# KiCad board AMLDC-2044B.kicad_pcb (continued)
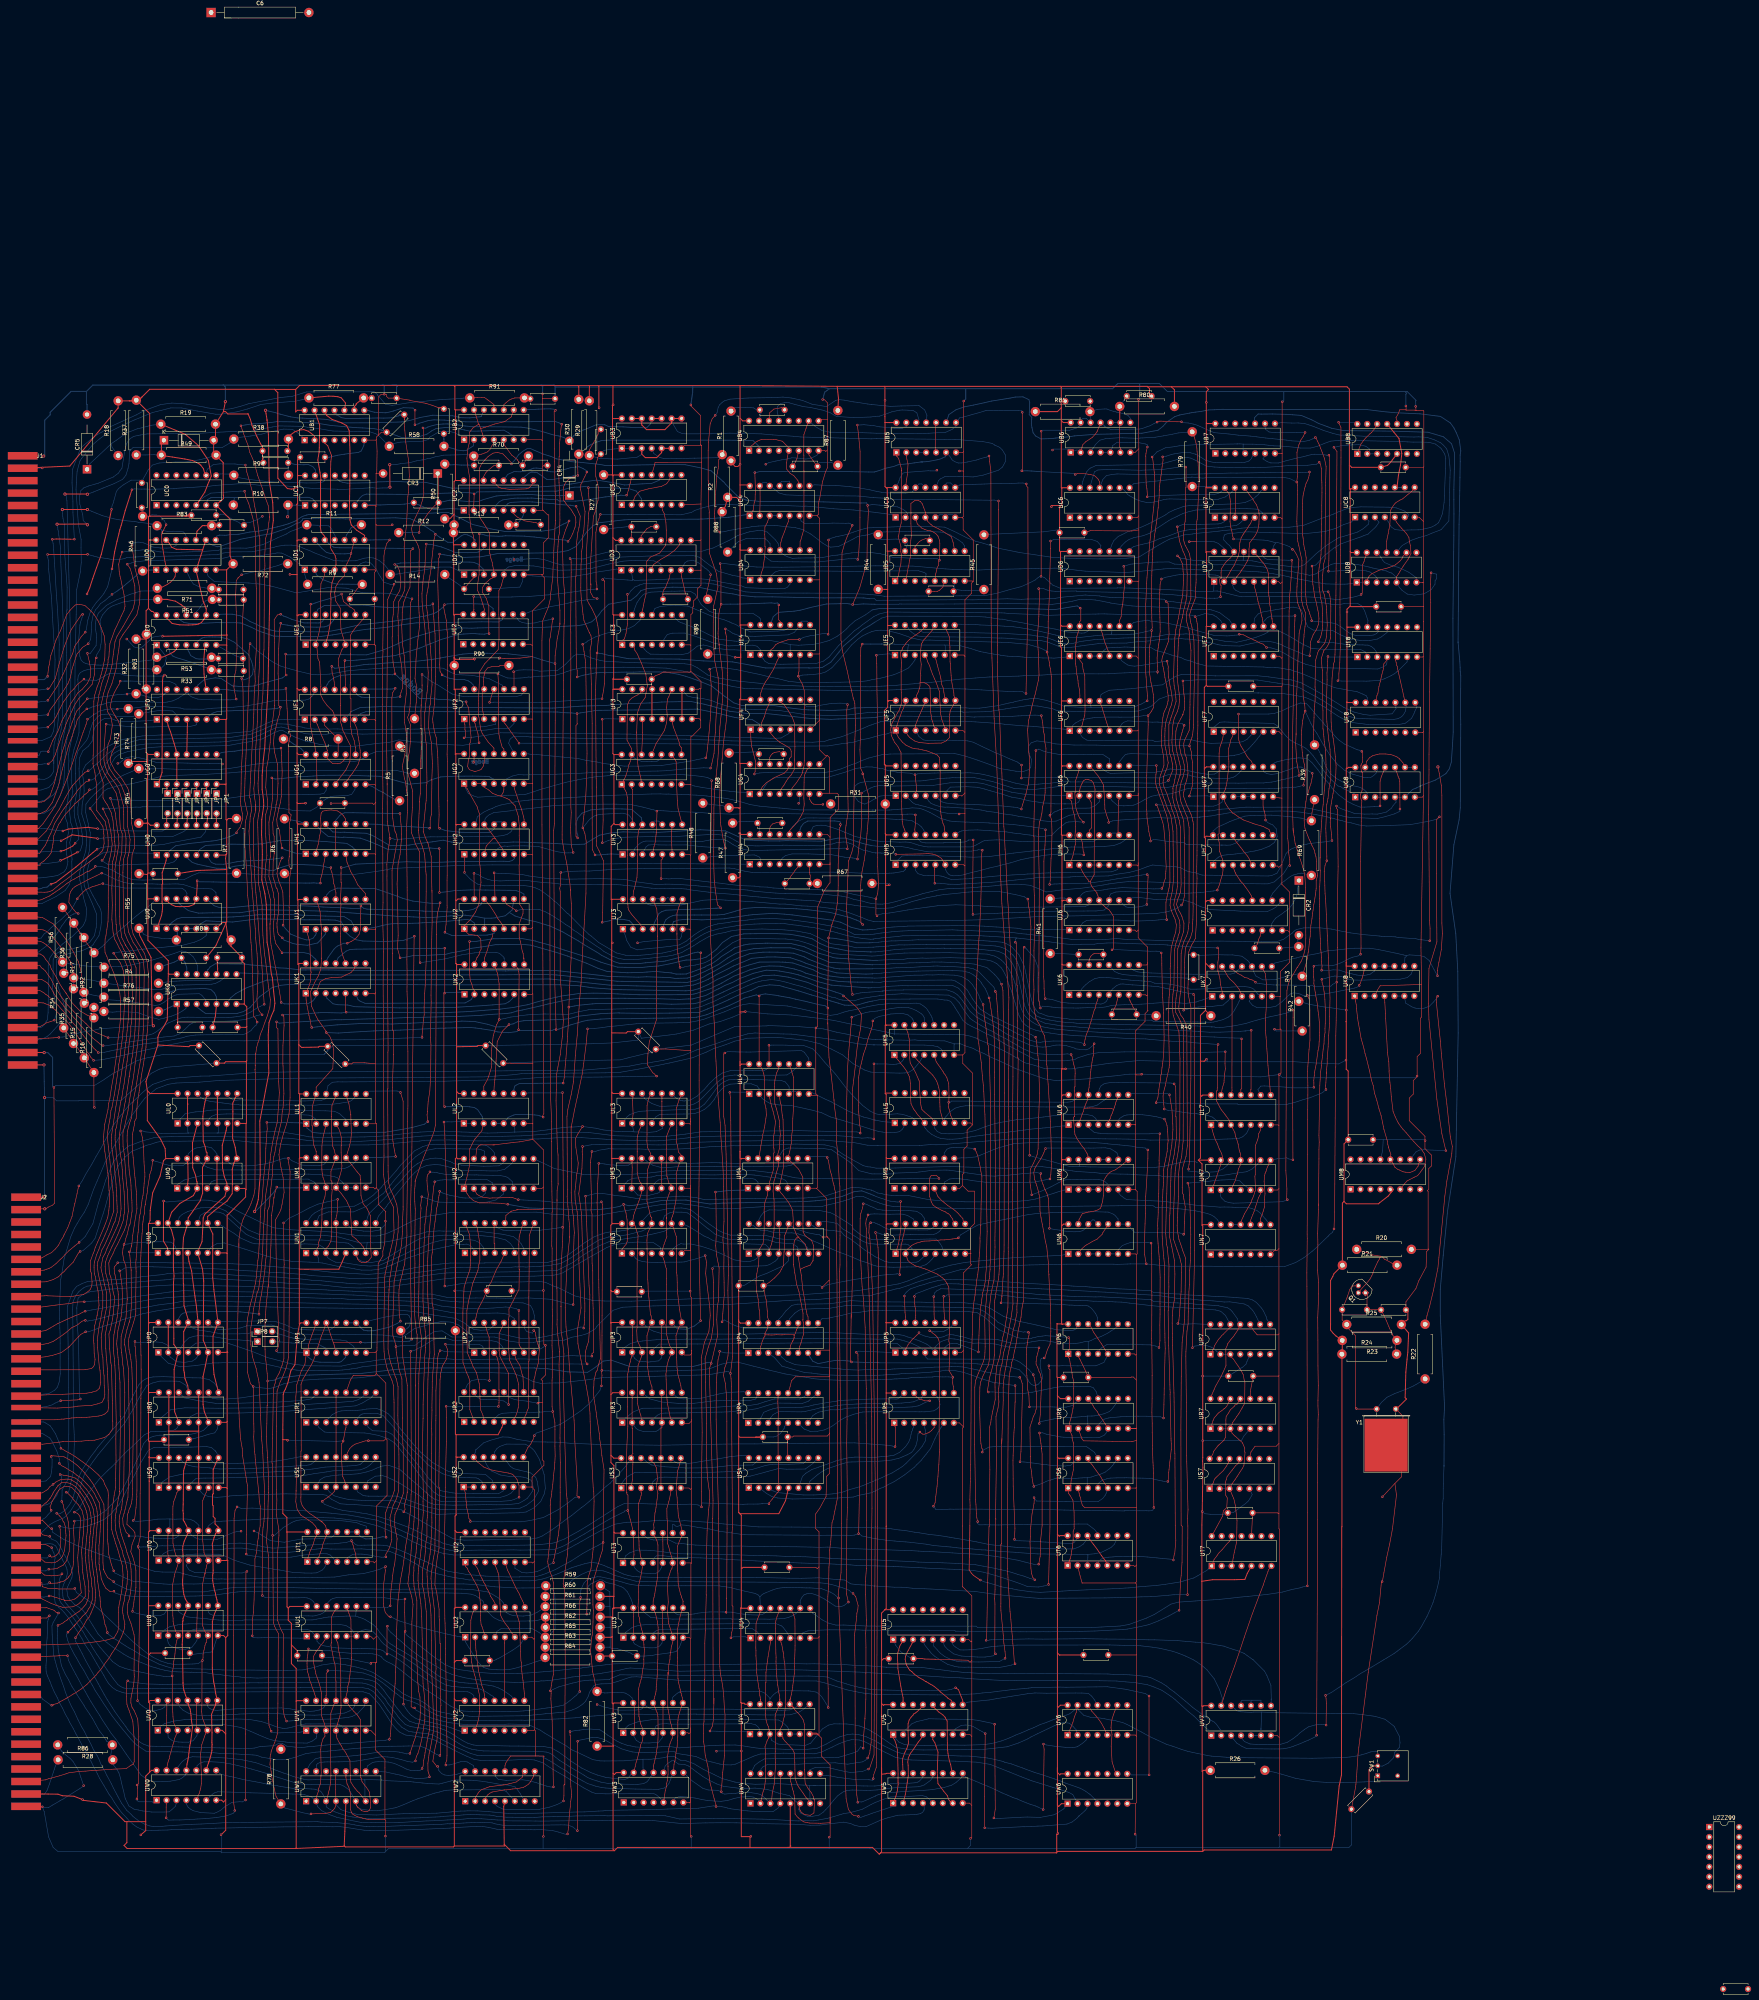
[diagram p0: board, top side]
## Routing (per net, layer and track width the routed paths; a pad name or vN(x,y) marks a point on that pad's centre or on a via; arc(x,y) is an arc through that point) (continued)
K6p2: length 50.1
  Bottom w0.15: 378.68,255.26 378.9,255.26 ; 378.68,255.26 375.63,255.15 374.1,255.15 372.7,255.56 370.42,256.14 368.58,256.48 364.96,256.68 363.74,257.17 362.81,257.17 361.62,257.26 360.84,257.31 359.67,257.37 358.87,257.45 356.61,257.69 355.41,257.88 352.68,258.14 350.93,258.13 349.57,257.8 348.27,257.04 347.39,256.3 346.77,255.71 346.25,255.12 UK6.2 ; 378.68,255.26 382.5,255.58 383.62,255.6 384.71,255.69 386.65,255.79 387.83,255.83 389.24,255.64 390.07,255.31 390.76,254.67 391.36,253.87 UK7.6
K6p4: length 390.4
  Top w0.15: v1(136.99,100.28) 136.92,100.35 137.02,115.9 137.15,117.64 137.4,119.19 137.42,119.85 137.61,122.21 137.58,123.78 137.58,126.84 137.32,131.18 137.09,136.64 137.01,138.11 136.84,139.8 136.76,140.94 136.52,146.17 136.44,148.04 136.21,153.58 136.12,154.74 136,155.54 135.77,156.44 135.41,158.25 134.46,161.24 134.03,164.45 134.04,166.79 134.04,168.73 134.21,169.84 134.74,173.5 135.18,175.55 135.61,177.53 136.03,178.52 136.29,180.5 136.55,182.12 136.96,186.84 137.04,188.12 137.27,194.4 137.42,195.78 137.53,198.54 137.64,199.09 137.78,202.12 138.04,203.89 138.48,206.86 138.59,208.19 138.99,211.67 139.08,212.83 139.62,216.12 140.19,218.86 140.72,220.86 140.83,221.66 141.08,224.88 141.32,228.67 141.14,231.6 141.08,233.13 140.96,244.99 140.6,245.35 v1(140.6,246.8) ; 347.03,240.85 v1(347.03,240.98) 347.03,241.55 347.2,242.3 347.51,243.53 348.16,245.09 348.74,247.01 349.09,248.27 349.56,249.85 349.76,250.18 350.02,251.35 350.43,252.47 UK6.4
  Bottom w0.15: v1(347.03,240.98) 347.03,241.08 346.02,241.58 344.05,241.72 342.33,241.84 341.52,241.88 341.5,241.91 339.17,241.91 338.1,241.85 336.3,241.68 335.83,241.57 334.7,241.65 332.99,242.18 330.84,243.35 330.17,243.62 328.84,244.36 327.45,245.08 326.36,245.65 325.31,246.17 324.08,246.8 323.51,247.03 322.17,247.8 321.71,248.02 320.97,248.44 320.01,248.96 318.59,250.43 317.79,251.5 316.3,253.62 316.18,253.85 316.19,253.89 314.92,255.38 313.42,256.05 311.91,256.13 301.93,256.02 300.53,256.05 299.55,256.01 297.02,255.89 296.42,255.8 293.47,255.52 292.68,255.52 ; UU1.13 149.97,98.78 149.33,99.34 148.39,99.69 147.64,99.75 146.27,99.71 144.78,99.7 137.71,99.74 v1(136.99,100.28)
  Bottom w0.2: 292.68,255.52 291.92,255.48 284.69,256 282.35,256.18 278.73,257.12 276.55,257.93 273.97,258.8 272.12,259.24 269.13,259.78 268.38,259.87 265.73,260 262.47,259.21 258.99,257.88 257.08,256.87 255.19,256.11 253.57,255.25 252.98,255 250.28,253.54 246.87,252.66 245.84,252.66 243.68,252.54 238.1,252.71 235.41,252.72 229.64,252.83 227.89,252.83 217.7,252.8 214.97,252.45 209.99,251.37 207.98,250.86 203.34,249.81 201.99,249.56 200.64,249.12 199.38,248.93 195.03,248.68 192.84,248.47 187.01,248.18 184.01,248.12 177.29,247.94 173.76,247.89 169.31,247.7 161.38,247.48 157.12,247.34 155.63,247.35 152.1,247.17 149.63,246.98 144.96,246.71 143.25,246.62 141.31,246.47 v1(140.6,246.8)
K6p6: length 5.5
  Top w0.15: C49.2 354.49,249.74 354.84,250.51 355.15,251.19 355.47,252.56 355.39,253.26 UK6.6
K6p7: length 10.8
  Top w0.15: UK6.7 358.16,253.49 358.52,252.54 358.68,252.16 358.71,252.16 358.85,251.82 359.19,251.24 359.5,250.47 360.03,249.73 C49.1
  Bottom w0.15: R40.2 365.01,248.7 C49.1
K6p10: length 30.3
  Bottom w0.15: UK6.10 358.86,260.49 359.5,260.02 360.08,259.79 360.7,259.55 362.05,259.39 364.09,259.28 374.87,258.96 384.42,259 385.38,259.28 UK7.11
K6p12: length 22.6
  Bottom w0.15: C48.2 373.69,257.95 363.96,258.38 360.38,258.55 356.93,258.88 355.76,259.18 354.71,259.69 UK6.12
K6p14: length 5.9
  Top w0.15: UK6.14 348.21,262.58 348.33,262.92 348.68,263.58 348.88,263.79 349.28,264.14 349.61,264.2 350.58,264.28 351.61,264.28 C50.1
K6p15: length 10
  Bottom w0.15: R41.1 340.25,264.28 C50.2 345.53,261.46 UK6.15
K7p8: length 102.7
  Top w0.15: v1(437.24,258.57) 437.24,259.96 437.22,259.98 437.6,262.01 438.24,265.31 438.49,269.38 438.37,272.04 438.37,304.56 438.24,307.1 437.73,310.14 v2(437.35,311.92)
  Bottom w0.15: UK7.8 395.52,261.78 397.34,262.22 398.6,262.56 401.15,263.11 402.7,263.55 406.66,264.26 408.97,264.9 414.36,265.48 416.04,265.6 420.01,265.6 422.14,265.26 427.13,264.23 428.56,263.9 429.38,263.64 428.92,263.19 UK8.9 ; 437.28,258.55 v1(437.24,258.57) 436.37,260.16 435.13,262.47 433.81,263.47 433,263.64 432.93,263.72 430.03,263.91 429.22,263.69
K7p9: length 33.1
  Top w0.15: UL7.8 393.93,235.63 393.65,239.89 393.45,242.9 393.28,244.6 393.34,247.2 393.37,248.68 393.49,250.43 393.54,256.58 393.34,258.35 393.25,259.13 392.79,260.04 UK7.9
K8p1: length 54
  Top w0.15: UK8.1 416.31,252.14 416.49,251.14 416.55,250.26 416.83,247.81 417.02,246.5 417.29,245.07 417.74,242.46 418.12,241.21 418.48,239.87 418.73,238.74 419.08,237.53 419.89,234.27 420.4,231.82 420.82,230.55 421.16,228.58 421.75,226.71 422.3,224.58 422.83,222.9 423.23,221 423.4,220.11 423.55,219.38 424.47,216.25 424.56,215.47 424.75,214.8 424.71,214.81 424.96,213.99 425.33,212.99 425.2,212.5 UM8.12 425.82,210.72 426.35,209.7 427.04,209.17 427.51,208.96 428.42,208.52 429.07,208.41 430.2,208.32 431.48,208.86 432.28,209.96 UM8.9
K8p4: length 55.2
  Top w0.15: UK8.4 423.79,251.71 423.95,248.89 424.01,247.62 424.47,238.9 424.8,236.62 424.89,234.34 424.87,234.02 425.09,231.3 425.28,229.82 425.44,227.72 425.9,223.89 426.44,222.56 427.21,221 427.97,219.93 428.42,219.39 429.22,218.52 430.62,216.84 431.21,216.22 432.18,215.17 433.11,214.32 433.44,213.81 433.89,213.12 434.28,211.75 433.91,209.85 433.3,209 432.94,208.49 432.15,207.52 431.29,207.12 430.12,206.52 429.48,206.18 428.8,205.44 UM8.6
K8p5: length 99.1
  Top w0.15: v1(437.31,253.36) 436.97,252.99 436.97,251.72 437.98,241.82 438.24,238.64 439,231.02 439.64,225.82 440.52,217.43 441.03,215.02 440.91,213.24 440.65,211.72 439.64,206.13 439.13,202.32 437.6,186.57 437.35,183.91 436.21,178.19 435.19,174 434.56,171.71 R22.2
  Bottom w0.15: 437.27,253.35 437.31,253.38 v1(437.31,253.36) 437.29,253.36 437.01,252.76 436.77,252.49 436.14,251.78 435.15,250.78 433.78,250.29 432.43,250.16 431.5,250.33 430.68,250.65 429.1,251.61 UK8.6 UK8.5
L0p1: length 48.6
  Bottom w0.15: UL0.1 115.33,221.19 117.23,223.31 119.83,223.81 121.65,223.92 123.7,224.24 125.25,224.33 140.08,224.45 145,224.37 149.47,224.15 150.7,224.09 153.09,224.08 155.41,223.96 156.72,223.35 157.07,223.01 158.16,222.02 UL1.5 UL1.6
L0p4: length 30.4
  Bottom w0.15: UL1.2 150.77,221.67 150.53,222.02 149.57,222.75 148.91,222.98 147.58,223.05 144.49,223.17 140.05,223.12 133.38,223.18 130.04,223.27 127.82,223.28 125.18,223.16 124.06,222.7 123.38,222.14 UL0.4
L0p9: length 166.2
  Top w0.15: UJ3.11 237.25,276.9 237.75,275.65 237.9,273.86 237.89,272.87 237.96,268.64 237.93,268.7 237.84,262.4 237.73,259.8 237.7,255.11 237.68,252.34 237.67,250.86 237.67,247.32 235.85,241.67 235.51,238.62 235.34,235.9 236.75,233.79 237.09,233.56 237.54,233.06 237.64,232.95 v1(237.74,232.95) 237.74,232.85 237.8,232.79
  Bottom w0.15: v1(237.74,232.95) 229.01,232.79 223.56,232.71 220.43,232.67 212.64,232.76 208.74,232.67 202.81,232.2 183.6,231.64 157.5,231.46 156.26,231.48 154.86,231.38 153.75,230.48 UL1.12 153.27,227.21 151.97,226.71 150.15,226.62 149.96,226.69 147.87,226.61 132.13,226.83 131.26,226.88 130,226.73 129.3,227.02 128.39,227.61 UL0.9 ; UJ3.9 241.43,278.1 240.55,278.58 240.08,278.1 UJ3.10 238.18,278.25 237.54,278.23 237.28,278.1 UJ3.11
L0p12: length 42.4
  Bottom w0.15: UL1.9 160.6,227.53 160.14,227.08 159.85,226.79 159.23,226.4 159.22,226.39 156.8,226.01 154.67,225.72 151.7,225.65 150.44,225.51 148.64,225.53 143.1,225.6 143.06,225.56 131.42,225.56 130.82,225.64 129.83,225.69 126.9,226.08 124.97,226.32 123.64,226.5 122.57,226.76 121.16,227.5 UL0.12
L0p13: length 514.9
  Top w0.15: UU3.10 239.21,95.87 239.25,93.24 UU3.5 ; UU3.2 231.87,94.96 231.87,96.05 UU3.13 ; UL3.2 231.71,223.3 231.57,226.61 231.71,228.24 UL3.13 ; 219.93,95.49 v1(219.89,95.52) 219.93,99.33 219.98,100.41 219.98,100.81 219.97,101.21 219.97,103.25 220.25,104.96 220.56,105.91 220.94,107.07 221.36,110.76 221.5,112.09 221.59,116.08 221.59,117.46 221.74,124.37 221.65,126.79 221.51,127.94 221.18,134.18 220.87,141.9 220.74,144.67 220.7,146.87 220.4,150 219.71,153.95 218.4,160.41 217.62,164.6 217.53,168.25 218.4,173.73 217.84,185.89 217.89,185.94 217.58,196.36 217.41,198.34 216.91,201.21 216.84,203.45 217,204.8 217.27,207.65 217.58,209.34 217.7,210.76 217.08,214.76 216.96,216.97 217.66,218.31 v1(218.79,220.08) ; 106.61,214.97 106.74,211.02 106.8,210 106.95,208.27 106.97,207.25 106.77,205.55 106.71,204.44 106.49,202.53 106.29,201.67 105.78,197.92 105.53,196.78 105.33,193.76 105.23,193.04 105.1,191.87 105.01,190.91 104.92,189.12 104.9,188.79 104.72,186.14 104.65,185.37 104.69,183.85 104.73,183.03 104.63,176.7 104.66,175.18 104.64,172.76 104.61,172 104.1,170.14 103.42,168 102.92,166.24 102.74,165.19 102.92,163.1 103.18,161.89 103.39,160.52 103.62,158.63 103.87,151.58 103.85,150.48 103.85,149.64 103.87,149.32 104.04,145.08 103.77,127.56 103.76,126.14 103.68,124.76 103.5,123.81 103.26,122.92 102.99,122.5 102.74,121.56 102.52,120.92 102.37,118.46 103,117.9 104.02,116.91 104.39,116.36 104.48,115.4 103.69,113.36 103.35,111.45 103.83,110.35 104.42,108.19 104.67,106.67 104.67,102.36 104.66,102.28 104.38,99.98 104.22,99.29 104.15,98.46 103.98,97.5 103.9,96.94 v1(103.81,96.26) ; UU0.2 112.73,91.16 112.75,91.53 112.75,96.38 112.77,96.86 UU0.13 ; v1(105.87,218.94) 106.32,217.33 106.62,214.67 ; UU0.10 120.36,96.58 120.24,92.81 120.23,91.53 120.18,91.22 UU0.5 ; UL3.5 239.07,226.42 239.05,226.45 239.07,226.47 UL3.10
  Top w0.25: UL0.10 UL0.5 ; UL0.13 117.87,225.87 117.95,225.79 117.87,225.71 UL0.2
  Bottom w0.15: 217.92,220.04 216.32,219.94 215.62,219.96 214.18,219.86 211.07,219.43 209.9,219.22 208.04,218.99 206.47,218.81 201.38,218.65 ; v1(103.81,96.26) 104.27,95.95 104.9,95.74 106.39,95.41 106.96,95.31 109.39,95.12 109.75,95.12 111.01,95.21 111.88,95.57 112.35,96.16 112.5,96.67 112.46,97.23 UU0.13 ; 217.64,220.04 218.28,220.02 v1(218.79,220.08) 222.26,219.62 224.03,219.21 228.09,218.77 228.96,218.75 231.86,218.75 231.86,218.75 UL3.2 ; 118.09,218.42 118.05,218.37 111.23,218.31 107.23,218.69 106.76,218.8 106.47,218.92 105.87,219.08 v1(105.87,218.94) ; 118.09,218.42 125.44,218.42 ; 118.09,218.42 117.95,218.55 UL0.2 ; UL3.5 239.23,220.72 239.23,219.59 237.61,218.75 235.82,218.58 233.86,218.65 232.99,218.67 232.09,218.69 231.39,218.75 ; UU3.5 239.07,88.1 238.53,87.41 237.47,86.95 236.02,86.92 234.42,87.01 233.49,87.15 232.12,87.92 231.8,88.34 231.76,88.38 UU3.2 ; UL2.6 201.49,219.53 201.49,218.65 201.38,218.65 ; 201.38,218.65 197.01,218.45 194.53,218.4 189.85,218.62 187.85,218.68 183.8,218.89 181.01,218.83 177.31,218.65 176.75,218.6 175.96,218.56 174.39,218.36 173.54,218.28 170.63,217.93 168.8,217.69 165.82,217.55 163.13,217.41 153.66,217.31 151.05,217.31 148.8,217.45 146.98,217.84 142.29,218.63 139.73,218.75 137.46,218.7 136.57,218.64 125.44,218.42 ; 125.44,218.42 125.66,218.42 125.84,218.59 125.84,220.52 UL0.5 ; UU3.13 231.59,98.29 231.17,99.42 230.26,101.23 229.31,102.2 228.73,102.51 226.8,103.18 224.85,103.61 223.81,104.26 223.2,104.33 222.04,103.82 220.95,103.29 220.7,103.05 220.28,102.72 220.12,102.1 220.12,99.25 219.93,97.17 v1(219.89,95.52) ; UU0.5 120.23,88.77 119.78,88.12 118.99,87.11 118.38,86.82 117.29,86.57 116.31,86.57 115.86,86.61 114.9,86.86 114.14,87.14 113.39,87.51 113.03,87.99 112.89,88.37 112.76,88.92 112.74,89.2 UU0.2
L1p8: length 785.9
  Top w0.15: v1(172.28,228.78) 172.95,226.54 172.94,199.48 ; 390.77,256.86 390.76,256.88 v1(390.76,256.91) 390.72,256.91 390.43,257.21 389.84,257.54 389.35,257.61 388.87,257.94 387.88,258.19 387.08,258.74 386.27,259.13 384.76,260.29 UK7.12 ; v1(410.8,193.91) 410.96,198.24 411.19,235.24 411.26,235.3 411.26,243.23 411.36,247.08 v1(411.5,256.94) 411.56,258.14 411.71,265.75 411.68,265.78 411.68,277.09 411.85,286.4 411.71,301.04 411.45,301.3 v1(411.45,301.92) ; v1(362.84,184.99) 362.65,185.81 362.43,187.3 362.42,191.02 362.46,193.35 362.53,195.36 362.62,197.94 362.63,199.26 362.7,202.3 363.15,209.62 363.25,211.92 v1(363.25,214.1) ; 172.94,199.58 172.95,198.97 172.82,196.33 172.8,193.36 172.52,189.79 172.19,187.96 171.89,186.76 171.4,184.4 170.63,180.28 170.59,177.62 170.29,169.96 170.29,168.64 170.31,166.77 171.1,164.19 v1(171.1,163.87) 171.2,162.36 171.55,160.37 171.93,157.97 172.64,155.58 172.76,145.64 172.74,145.62 172.87,139.16 172.97,138.21 172.97,126.63 172.97,126.3 172.8,125.79 171.82,123.13 171.35,122.08 170.88,121.03 170.79,119.75 170.82,118.13 170.94,117.25 171.09,116.48 171.4,114.9 171.4,114.68 171.14,111.44 170.78,108.31 170.48,106.97 170.27,105.3 170.12,103.97 170.05,103.12 169.86,101.91 169.75,100.12 v1(169.65,97.66)
  Bottom w0.15: v1(411.5,256.94) 410.47,256.39 409.99,255.91 408.44,255.91 408.33,255.81 405.61,255.81 405.31,256.11 403.69,256.11 403.66,256.14 395.38,256.23 393.15,256.4 391.79,256.6 391.77,256.57 391.2,256.65 v1(390.76,256.91) ; v1(363.25,214.1) 362.75,214.4 362.56,214.59 361.8,214.64 360.09,214.82 359.31,215.04 357.32,215.24 355.97,215.38 353.02,215.64 352.83,215.69 352.25,215.76 349.58,215.97 348.4,216.07 337.47,216.16 330.16,215.78 328.98,215.7 325.21,214.67 324,214.25 322.62,213.67 320.4,212.75 319.35,212.32 316.95,212.07 316.27,212.05 315.61,212.08 314.67,211.97 UM5.8 ; 376.64,184.4 368.76,184.39 v1(362.84,184.99) 358.73,184.99 358.72,184.98 358.05,184.95 355.37,184.86 354.49,184.91 345.79,184.92 342.48,184.91 336.5,184.81 335.55,184.76 332.97,184.71 329.54,184.58 328.84,184.6 328.21,184.58 326.36,184.54 322.56,184.25 321.75,184.19 321.06,184.17 319.12,183.94 315.34,183.51 313.62,183.03 309.62,181.91 308.63,181.65 305.28,180.64 303.98,180.24 302.1,179.51 299.86,178.76 298.91,178.6 295.43,177.68 294.35,177.43 293.51,177.25 293.13,177.13 292.49,176.9 290.39,176.96 288.33,176.84 287.77,176.77 284.46,176.45 278.61,175.88 276.69,175.82 276.66,175.86 271.75,175.68 256.5,174.66 237.01,174.25 228.97,173.92 226.58,173.13 222.47,169.06 222.08,168.44 220.04,167.2 218.37,166.7 216.01,166.24 214.08,165.5 211.93,165.37 208.47,165.32 206.22,164.93 206.2,164.92 202.54,164.92 199.99,165.28 199,165.57 196.32,166.31 185.44,166.31 182.9,167.88 181.09,167.73 179.87,167.07 179.28,166.69 178.53,166.1 175.98,164.19 173.22,164.1 173.13,164.07 172.26,164.05 v1(171.1,163.87) ; 376.64,184.4 398.07,184.26 401,185.34 403.13,186.58 405.21,188.19 406.04,188.91 409.3,192.07 409.39,192.15 409.71,192.53 410.39,193.01 410.46,193.16 v1(410.8,193.91) ; 376.64,184.4 376.97,184.4 ; v1(411.45,301.92) 412.4,301.33 413.52,300.9 414.56,300.58 415.95,300.05 418.56,299.87 420.59,299.89 421.86,299.86 422.73,300.03 424.16,300.39 424.98,300.98 425.5,301.38 425.9,302.03 426.66,302.93 ; 426.66,302.93 426.67,302.94 ; 426.66,302.93 426.66,303.92 UG8.5 UG8.6 ; v1(169.65,97.66) 168.87,97.17 164.21,97.23 163.93,97.51 UU1.8 ; v1(172.28,228.78) 171.4,229.15 170.32,229.15 163.92,229.09 163.43,228.6 UL1.8
  Bottom w0.2: 441.09,317.64 441.26,320.81 441.19,349.87 441.43,371.02 441.45,376.53 441.43,380.21 441.43,382.74 441.62,390.93 441.57,392.17 440.84,394.45 438.77,396.22 434.83,397.39 426.26,397.66 413.26,397.81 410.23,398.4 406.91,399.62 405.1,400.56 402.4,401.69 400.17,401.85 398.69,401.96 395.07,402.05 392.2,402.02 391.43,402.05 390.54,401.16 390.36,399.88 UB7.10 ; 441.09,317.64 440.79,313.18 440.27,311.44 439.4,310.21 436.75,308.56 433.54,307.34 431.86,306.54 430.87,306.14 UG8.6 ; 441.09,317.64 441.09,317.47 441.07,317.45
L2p2: length 211.4
  Top w0.15: v1(183.59,179.32) 184.14,201.68 183.62,217.01 183.6,218.16 v1(183.39,221.22)
  Bottom w0.15: UL2.2 UL2.1 188.18,220.86 187.67,221.37 185.41,221.25 184.24,221.27 183.45,221.22 v1(183.39,221.22) ; UN6.1 340.96,187.15 334.06,186.84 330.71,186.68 327.6,186.46 326.47,186.37 324.55,186.23 322.73,185.97 322.34,185.94 321.42,185.85 318.77,185.61 318.76,185.6 316.58,185.36 315.2,185.12 314,184.88 312.93,184.68 309.63,183.8 308.63,183.4 307.2,182.8 305.77,182.27 304.22,181.6 301.97,180.65 299.56,179.88 295.33,179.16 294.92,179.07 294.46,178.96 293.14,178.76 292.14,178.65 289.11,178.16 284.1,177.75 279.6,177.48 275.72,177.19 265.97,176.83 254.12,176.37 247.45,176.09 237.3,175.72 231.3,175.47 224.44,175.51 221.25,175.7 216.81,176.82 214.42,178 212.41,178.99 211.49,179.27 209.31,180.28 207.77,180.52 204.64,180.43 201.94,180.35 198.4,180.31 197.99,180.34 196.54,180.34 193.02,180.26 192.66,180.22 189.43,180.14 187.23,179.85 185.11,179.47 184.48,179.38 184.26,179.32 v1(183.59,179.32)
L3p1: length 52.5
  Bottom w0.15: UL4.6 273.2,229.08 272.44,229.11 271.73,228.39 UL4.5 271.59,230.16 271.13,230.84 270.56,231.48 269.52,231.83 267.76,231.92 266.61,231.93 264.35,232.04 262.41,232.03 257.54,232.07 256.08,231.98 255.07,231.52 254.27,231.07 253.34,230.27 251.67,227.94 251.41,227.61 249.97,225.79 248.64,224.83 247.53,224.5 243.64,224.37 237.57,224.15 236.8,224.14 233.36,223.95 232.15,223.61 230.81,223.07 230.03,222.43 UL3.1
L3p4: length 74.1
  Bottom w0.15: UL3.4 236.94,221.88 237.58,222.57 238.54,223.18 240.46,223.21 244.7,223.27 245.78,223.27 247.49,223.4 248.73,223.84 250.02,224.49 251.38,225.67 252.44,226.97 253.29,228.48 254.25,229.52 255.16,230.35 256.46,230.88 258.8,231.03 260.43,230.96 261.88,230.98 263.4,230.42 263.78,229.89 263.91,229.75 UL4.2 264.72,227.22 265.49,226.64 266.85,225.89 269.23,225.56 272.21,225.4 277.69,224.2 279.92,223.57 282.08,222.53 284.04,221.97 285.37,221.59 286.47,221.27 287.78,220.83 289.42,220.38 290.35,220.07 292.57,219.34 293.61,219.05 294.47,218.8 295.36,218.67 296.39,218.49 297.49,218.5 298.44,218.5 299.76,218.75 300.43,219.28 300.88,219.95 UL5.2
L3p9: length 79.9
  Top w0.15: 266.42,240.93 266.45,240.89 266.45,240.86 v1(266.42,240.83) 266.45,240.79 UL4.12
  Bottom w0.15: 244.27,226.65 244.77,226.6 245.2,226.66 245.62,226.75 246.42,226.87 248.06,227.83 249.94,229.59 250.63,230.4 251.23,231.1 252.88,232.65 254.57,233.76 256.56,234.35 261.5,234.34 262.25,234.35 264.42,234.37 265.21,234.4 265.73,234.64 265.84,234.76 266.18,235.03 UL4.12 ; UL5.3 303.49,221.96 303.06,222.33 302.54,222.56 300.57,223.18 299.22,223.32 297.76,223.22 296.88,223.19 295.81,223.1 294.7,223.1 293.65,223.35 293.13,223.59 292.22,224.04 290.4,225.41 287.83,227.98 286.3,229.71 283.43,233.44 282.23,234.79 280.58,236.59 279.34,238.11 277.62,239.9 275.3,240.75 273.58,240.74 272.74,240.75 270.71,240.86 267.54,240.87 267.04,240.87 266.78,240.83 v1(266.42,240.83) ; 244.31,226.64 243.8,226.73 242.53,227.45 UL3.9
L3p12: length 45.3
  Bottom w0.15: UL4.9 273.34,235.04 272.54,234.25 271.02,233.24 267.62,233.17 261.73,233.17 257.62,233.23 255.15,232.88 253.03,231.17 249.54,227.56 248.41,226.46 247.36,225.86 246.2,225.46 244.61,225.36 242.94,225.39 239.85,225.25 238.45,225.26 237.2,225.69 236.5,225.96 235.96,226.29 234.66,227.21 UL3.12
L6p3: length 91
  Top w0.15: v1(366.31,218.24) 366.29,216.97 366.25,215.92 366.11,211.44 366.13,210.59 366.06,208.1 366.07,206.62 366.03,203.01 365.99,202.17 365.89,198.98 365.89,198.04 365.81,196.48 365.73,194.78 365.8,194.01 365.69,192.96 365.71,192.94 365.85,190.17 365.94,189.07 366.12,186.88 366.15,186.16 366.25,185.14 366.38,181.52 366.35,174.88 366.35,173.37 366.35,172.17 366.3,169.35 366.34,165.47 366.27,164.71 v1(366.08,163.62)
  Bottom w0.15: v1(366.31,218.24) 365.58,218.29 364.3,218.29 363.69,218.2 352.82,218.21 351.15,218.35 350.51,218.4 349.54,218.57 348.26,219.63 UL6.3 ; UP6.4 350.84,163.01 351.44,163.56 352.8,164.41 355.78,164.41 356.84,164.43 359.63,164.48 361.78,164.33 363.87,164.31 365.25,164 v1(366.08,163.62)
L6p6: length 108.5
  Top w0.15: v1(367.25,145.62) 367.35,149.03 367.4,151.66 367.42,153.26 367.64,162.22 367.67,163.38 367.62,164.93 367.6,166.26 367.59,167.11 367.48,173.11 367.47,173.38 367.46,174.67 367.53,182.22 367.51,184.54 367.34,186.34 367.24,187.16 366.91,191.58 366.9,192.08 366.89,192.93 366.9,199.86 367.03,201.91 367.1,203.9 367.24,205.67 367.22,206.81 367.24,208.91 367.51,210.45 367.72,211.31 367.9,212.25 368.18,213.7 368.22,214.52 368.33,215.63 368.43,216.55 368.4,216.58 368.31,218.68 368.28,219.36 368.13,220.36 367.83,221.32 v1(367.48,221.97)
  Bottom w0.15: 360.74,146.09 362.93,146.09 365.47,145.93 366.44,145.95 v1(367.25,145.62) ; 360.74,146.09 357.77,146.05 356.34,145.94 353.76,145.71 353.21,145.64 352.08,145.33 350.77,144.16 UR6.4 ; 360.74,146.09 360.7,146.13 ; v1(367.48,221.97) 366.48,222.31 365.91,222.45 365.35,222.59 365.02,222.64 364.69,222.69 363.54,222.88 361.91,223.07 360.34,223.12 359.74,223.11 359.38,223.1 357.91,223.03 357.34,222.9 357.12,222.82 356.65,222.53 355.97,222.11 355.75,221.53 355.68,221.16 UL6.6
L6p8: length 129.3
  Top w0.15: v1(368.33,129.42) 368.42,129.51 368.57,131.67 368.65,132.48 368.75,133.47 368.85,134.4 369.03,135.79 369.22,137.55 369.22,139.03 369.17,139.89 369.16,140.32 368.92,151.58 368.94,152.16 368.9,152.95 368.86,154.16 368.57,164.18 368.53,166.07 368.42,173.02 368.46,173.06 368.61,179.28 368.59,180.32 368.63,184.73 368.47,186.46 368.2,189.22 368.02,190 367.8,192.81 367.94,198.57 368.08,202.91 368.18,206.98 368.26,208.99 368.5,210.26 368.77,211.66 369.13,213.98 369.35,215.22 369.48,217.07 369.65,219.3 369.61,220.77 369.4,224.31 369.14,225.99 v1(368.78,228.18)
  Bottom w0.15: v1(368.33,129.42) 367.45,129.42 366.89,129.55 366.19,129.67 364.38,130.1 363.77,130.2 361.98,130.26 361.27,130.27 357.74,130.36 357.22,130.34 355.61,130.34 355.19,130.33 353.63,130.28 352.77,130.11 351.74,129.77 351.32,129.54 350.48,128.83 US6.4 ; v1(368.78,228.18) 368.28,228.51 367.87,228.54 358.98,228.54 358.6,228.15 UL6.8
L7p1: length 17.9
  Top w0.15: UL7.1 379.73,219.07 379.99,218.12 380.49,216.67 381.02,215.63 381.47,214.37 382.1,213.15 382.38,211.98 UM7.13 381.9,210.43 380.91,207.59 380.56,206.51 380.34,205.92 380.34,205.83 380.11,205.29 UM7.1
M0p1: length 48.4
  Bottom w0.15: UM1.6 UM1.5 157.44,205.88 156.13,206.99 155.51,207.22 153.65,207.63 152.81,207.68 151.76,207.76 148.71,207.91 121.68,207.6 119.39,207.07 116.95,206.38 115.22,205.19 UM0.1
M0p4: length 30.1
  Bottom w0.15: UM1.2 150.46,205.62 150.18,205.9 148.67,206.65 139.36,206.47 125.39,206.51 124.61,206.24 124.01,205.97 123.59,205.38 UM0.4
M0p9: length 195.7
  Top w0.15: v1(143.65,211.99) 143.55,211.72 143.7,210.83 144.06,208.57 143.91,198.8 143.89,194.38 143.99,192.54 143.96,189.95 143.94,186.1 143.84,180.58 143.86,174.9 143.78,166.11 143.63,161.2 143.55,160.47 143.35,159.51 142.97,158.13 142.32,156.54 142,155.74 141.57,154.96 140.74,152.5 140.58,143.57 140.64,142.15 140.47,131.89 140.64,127.44 140.61,126.53 140.63,125.99 140.69,124.7 140.58,120.88 141.19,117.19 141.22,115.6 141.17,115.1 141.12,113.94 140.87,111.35 140.87,93.96 140.92,93.83 141.6,91.87 142.33,90.46 142.27,72.89 142.28,71.13 142.62,69.32 v1(143.17,68.22)
  Bottom w0.15: v1(143.17,68.22) 143.2,68.19 144.58,68.28 145.41,68.47 148.36,68.61 149.78,68.61 150.69,68.63 154.79,68.74 156.11,68.86 157.84,69.04 159.06,69.19 159.93,69.41 160.95,69.91 161.39,70.21 163.02,71.98 UV1.8 ; UM0.9 128.57,210.68 129.5,210.2 130.15,210.06 130.53,210.05 131.68,210.01 134.65,210.09 137.12,210.45 138.36,210.7 139.41,210.96 140.91,211.45 141.71,211.72 142.63,211.99 v1(143.65,211.99) 144.54,211.33 147.05,210.22 149.42,210.08 150.19,210.1 151.49,210.13 152.63,210.31 153.38,211.07 UM1.12
M0p12: length 43
  Bottom w0.15: UM1.9 160.89,211.18 160.34,210.68 159.01,209.76 157.9,209.32 156.36,209.24 154.41,209.14 148.18,209.05 145.69,209.07 137.24,209.02 134.93,209 125.14,208.99 122.89,209.67 121.63,210.45 UM0.12
M2p2: length 470.2
  Top w0.15: 223.62,157.79 223.77,156.46 223.62,155.2 v1(223.62,153.84) ; UR5.8 313.54,153.63 313.4,154.33 313.38,154.81 v1(313.39,156.02) 313.45,156.07 312.44,157.75 312.51,159.47 312.57,164.56 312.39,165.29 312.52,167.19 312.55,175.92 312.47,176.59 312.37,179.06 311.93,179.98 311.85,180.13 311.22,181.02 310.76,181.42 309.46,182.36 306.44,183.66 305.99,183.8 304.07,184.4 303.73,184.53 302.51,185.29 301.95,185.82 301.7,186.49 301.53,187.37 UN5.2 301.32,188.3 302.58,189.41 302.89,189.67 303.41,189.99 304.19,190.32 305.12,190.57 305.54,190.72 306.07,190.81 307.36,190.84 ; 314.82,191.61 v1(314.82,191.64) 314.26,191.5 314.03,191.47 313.24,191.33 311.22,191.11 310.35,191.11 309.6,191.02 308.82,190.99 307.32,190.84 ; UM2.2 191.76,202.84 192.34,202.43 193.14,202.05 195.12,201.77 195.85,201.84 197.15,201.83 200.13,201.99 200.78,201.98 201.62,201.66 v1(202.38,201.39) 202.48,201.29 ; v1(223.62,200.84) 223.89,200.19 223.92,199.43 223.79,171.76 223.77,166.71 v1(223.72,157.77) 223.93,157.97 ; US2.8 204.8,138.03 205.56,138.96 205.96,139.87 206.11,140 v1(206.49,141.14) ; v1(372.52,322.54) 372.16,321.34 371.98,320.76 371.86,320.29 371.49,319.07 371.29,317.31 371.69,315.27 372.16,314 372.54,312.42 372.55,310.81 372.23,309.34 371.74,308.07 371.62,307.36 371.49,306.74 371.35,305.39 371.56,303.58 371.72,302.92 372.35,301.37 372.83,300.07 373.27,299.12 373.64,297.38 373.79,296.39 373.76,272.17 373.63,271.23 373.58,270.58 373.44,269.6 373.09,268.67 372.43,267.23 372.13,266.24 371.74,264.22 371.69,254.93 371.64,254.59 371.53,254.01 371.26,251.72 371.15,250.78 371.18,249.71 371.39,249.22 371.7,248.42 372.08,247.98 372.32,247.62 372.52,247.12 373.19,245.75 373.33,215.12 373,212.43 372.54,210.97 372.12,209.42 372.03,204.53 372.09,203.08 372.29,202.69 372.35,202.23 372.44,201.56 372.79,199.59 372.59,195.7 372.56,195.3 372.51,192.67 v1(372.38,192.55)
  Bottom w0.15: 359.13,193.8 359.85,193.08 359.85,193.06 360.89,193.06 360.91,193.08 371.31,192.92 v1(372.38,192.55) ; 359.13,193.8 359.28,193.66 ; 359.13,193.8 358.6,194.47 UN6.8 UN6.9 355.63,196.45 355.61,196.48 355,197.22 354.53,197.65 353.08,198.23 352.34,198.23 349.72,198.32 343.74,198.12 341,198.17 340.49,198.15 338.91,198.06 338.5,198.07 337.35,197.96 335.95,197.97 335.2,197.89 332.65,197.57 330.27,197.12 327.28,196.48 324.19,195.86 323.27,195.68 321.73,195.35 319.84,194.92 317.54,193.69 315.43,192.42 v1(314.82,191.64) ; UF6.6 356.17,322.21 356.58,322.86 357.03,323.3 358.09,323.67 364.39,323.34 365.64,323.37 365.97,323.35 369.06,323.12 369.91,323.12 370.6,323.09 372.05,323.03 372.25,322.54 v1(372.52,322.54) ; v1(223.72,157.77) 224.71,157.66 225.39,157.68 226.22,157.61 229.54,157.61 231.87,157.55 234.94,157.57 237.91,157.61 242.78,157.71 243.98,157.76 249.49,157.93 251.55,158.32 254.25,159.37 255.88,159.73 258.35,159.92 262.47,158.86 266.41,157.87 270.51,156.89 274.83,156.18 276.02,156.02 277.77,155.67 280.74,155.4 286.65,155.19 290.68,155.26 292.24,155.32 293.59,155.39 ; v1(206.49,141.14) 206.79,141.51 206.95,141.77 207.95,142.09 208.58,142.33 213.05,144 214.58,144.9 218.46,147.53 220.72,149.51 221,149.85 223.25,152.71 v1(223.62,153.84) ; v1(202.38,201.39) 203.67,201.31 205,201.24 207.69,201.09 208.67,201.02 209.43,200.99 211.09,200.78 211.69,200.71 218.32,200.47 219.33,200.52 221.23,200.52 222.46,200.58 223.22,200.56 v1(223.62,200.84) ; 293.59,155.39 294.9,155.5 296.53,155.53 297.63,155.53 298.61,155.61 299.08,155.61 302.02,155.8 302.77,155.91 305.04,156 306.68,156.06 308.22,156.09 308.32,156.13 308.7,156.19 310.72,156.12 311.53,156.13 312.33,156.13 v1(313.39,156.02) ; 293.59,155.39 293.79,155.4
M2p3: length 177.9
  Top w0.15: v1(179.68,54) 179.68,54.27 179.55,54.69 179.42,55.07 179.31,55.5 179.28,57.46 179.46,58.81 179.61,60.04 179.97,61.52 180.61,65.19 180.78,66.9 180.66,70.07 180.64,71.08 180.42,77.22 180.39,77.71 180.17,82.4 180.16,88.88 180.07,95.3 179.89,97.85 179.7,99.09 179.33,101.3 179.09,105.13 179.04,106.2 179.17,107.47 179.48,108.68 179.84,110.85 179.94,112.01 179.95,112.55 180.06,113.18 180.07,114.14 180.25,116.91 180.31,118.94 180.28,120.23 180.32,123.94 180.32,124.49 180.29,125.68 180.2,136.66 180.28,141.52 180.22,142.97 180.33,147.62 180.3,148.26 180.39,153.48 180.39,154.93 180.82,161.01 180.92,161.97 ; 180.91,161.88 180.6,173.8 180.35,175.1 180.22,186.7 180.39,187.85 180.73,192.31 180.86,194.1 181.11,195.83 181.35,197.62 181.5,199.15 181.75,200.05 182.01,201.88 182.14,202.52 v1(182.27,203.53)
  Bottom w0.15: v1(179.68,54) 179.55,53.88 179.02,53.72 177.43,53.51 176.25,53.54 175.11,53.74 174.05,53.91 172.16,54.43 170.97,54.68 168.57,55.21 167.33,55.31 UW1.9 ; UM2.3 193.97,203.82 193.97,203.04 193.18,202.21 193.03,202.06 191.99,201.81 188.94,201.81 188.02,201.87 187.23,202.05 184.84,202.53 184.18,202.71 183.1,203.08 182.63,203.29 v1(182.27,203.53)
M2p4: length 183.4
  Top w0.15: v1(181.02,205.96) 180.77,204.7 180.17,198.98 180.04,197.66 179.57,192.56 179.5,191.4 179.25,186.48 179.21,185.67 179.21,184.63 179.18,179.82 179.25,177.56 179.25,176.78 179.57,169.97 179.68,169.48 179.78,162.22 179.54,160.49 179.36,157.29 179.29,155.48 179.15,146.26 179.03,126.63 179.16,125.93 179.17,125.29 179.16,120.62 179.11,120.13 179.04,119.37 179.04,115.11 178.92,114.99 178.68,112.89 178.63,111.5 178.42,109.48 178.21,108.44 177.85,106.6 177.92,104.34 177.8,103.12 177.93,102.67 178.17,101.67 178.52,99.5 178.65,97.89 178.86,96.22 179.07,81.45 179.11,79.91 179.3,77.77 179.35,76.5 179.39,75.89 179.53,71.86 179.63,70.14 179.73,66.16 179.33,64.42 179.07,63.09 178.94,62.08 178.77,61.33 178.56,60.16 178.48,59.5 178.19,58.16 178.06,56.73 v1(177.8,56.11)
  Bottom w0.15: UW1.10 163.89,56.81 165.12,57.64 165.79,57.78 166.55,57.85 167.43,57.86 169.24,57.75 170.67,57.42 172.48,56.61 173.72,55.99 174.87,55.62 175.81,55.57 176.72,55.54 177.3,55.64 v1(177.8,56.11) ; v1(181.02,205.96) 181.78,206.24 182.36,206.38 183.1,206.43 183.68,206.51 183.99,206.45 185.22,206.44 189.34,206.49 191.4,206.51 192.71,206.5 194.38,206.51 195.81,205.67 UM2.4
